# KiCad board rabbit_mask_capacitors_right.kicad_pcb (continued)
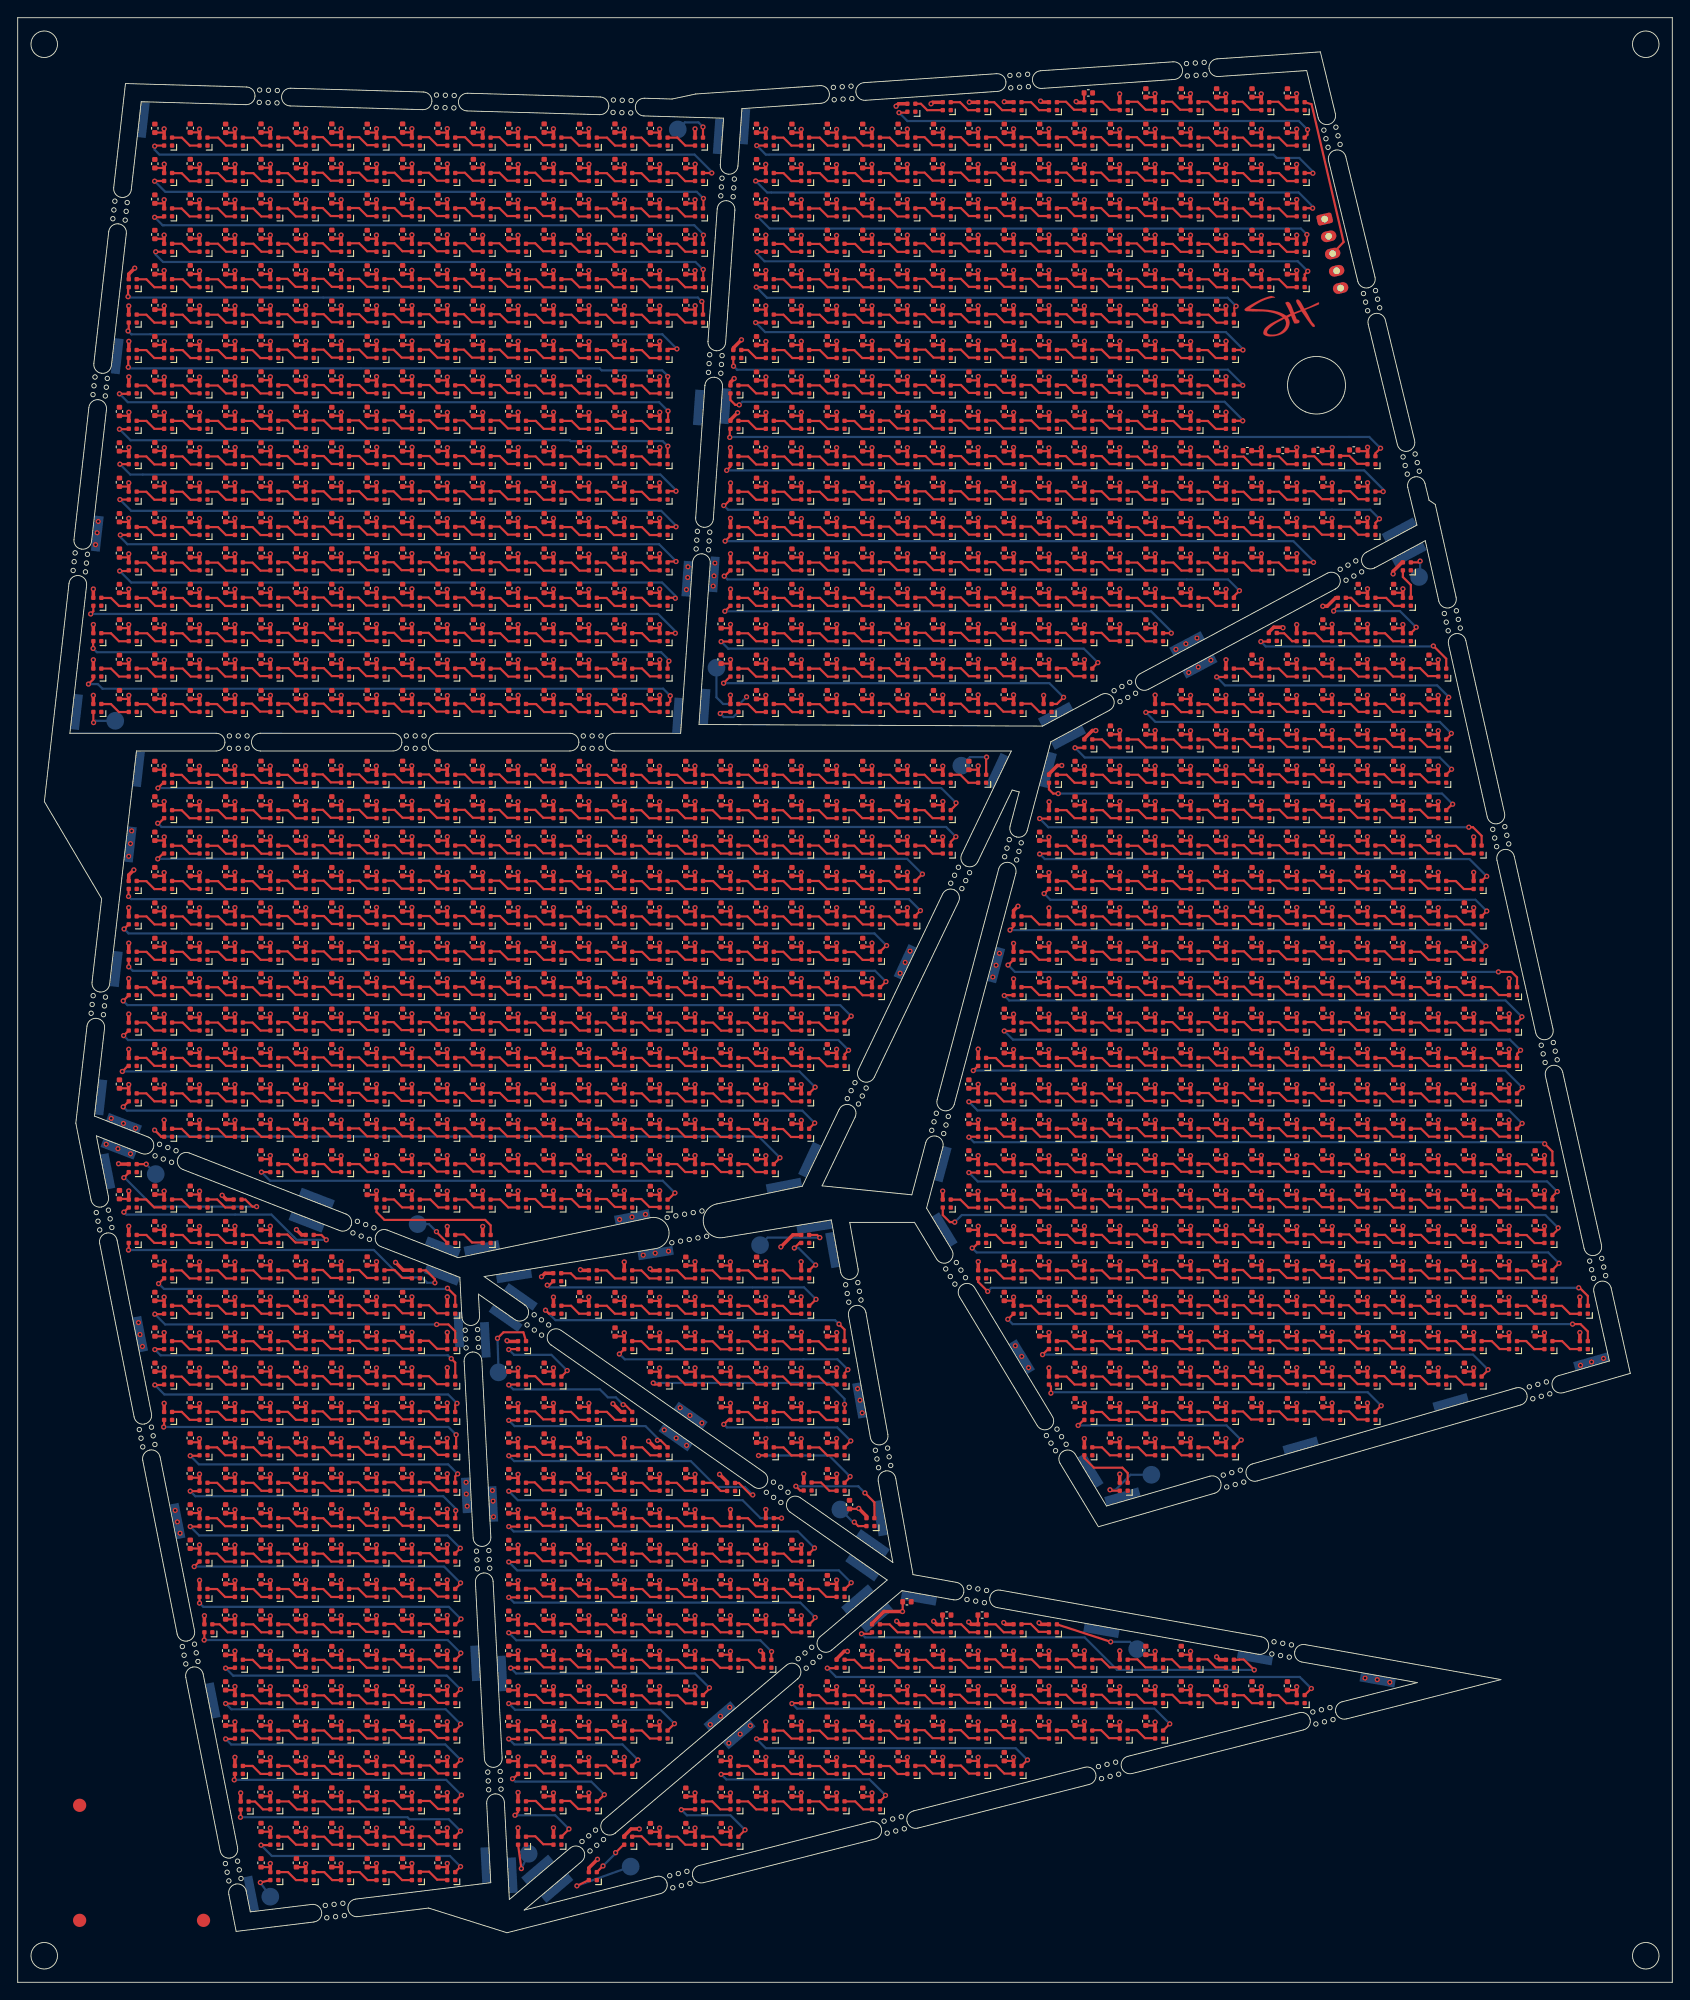
[diagram p0: board, top side]
## Placement (name value [footprint] x y rotation side) (continued)
D1803  SK6812-1515  [LED_SK6812_EC15_1.5x1.5mm]  81 172 180 top
D1804  SK6812-1515  [LED_SK6812_EC15_1.5x1.5mm]  85 172 180 top
D1805  SK6812-1515  [LED_SK6812_EC15_1.5x1.5mm]  89 172 180 top
D1806  SK6812-1515  [LED_SK6812_EC15_1.5x1.5mm]  93 172 180 top
D1807  SK6812-1515  [LED_SK6812_EC15_1.5x1.5mm]  97 172 180 top
D1808  SK6812-1515  [LED_SK6812_EC15_1.5x1.5mm]  101 172 180 top
D1809  SK6812-1515  [LED_SK6812_EC15_1.5x1.5mm]  105 172 180 top
D1810  SK6812-1515  [LED_SK6812_EC15_1.5x1.5mm]  109 172 180 top
D1811  SK6812-1515  [LED_SK6812_EC15_1.5x1.5mm]  113 172 180 top
D1812  SK6812-1515  [LED_SK6812_EC15_1.5x1.5mm]  117 172 180 top
D1813  SK6812-1515  [LED_SK6812_EC15_1.5x1.5mm]  121 172 180 top
D1814  SK6812-1515  [LED_SK6812_EC15_1.5x1.5mm]  125 172 180 top
D1815  SK6812-1515  [LED_SK6812_EC15_1.5x1.5mm]  129 172 180 top
D1816  SK6812-1515  [LED_SK6812_EC15_1.5x1.5mm]  133 172 180 top
D1817  SK6812-1515  [LED_SK6812_EC15_1.5x1.5mm]  137 172 180 top
D1818  SK6812-1515  [LED_SK6812_EC15_1.5x1.5mm]  141 172 180 top
D1819  SK6812-1515  [LED_SK6812_EC15_1.5x1.5mm]  145 172 180 top
D1820  SK6812-1515  [LED_SK6812_EC15_1.5x1.5mm]  149 172 180 top
D1821  SK6812-1515  [LED_SK6812_EC15_1.5x1.5mm]  153 172 180 top
D1822  SK6812-1515  [LED_SK6812_EC15_1.5x1.5mm]  13 168 180 top
D1823  SK6812-1515  [LED_SK6812_EC15_1.5x1.5mm]  17 168 180 top
D1824  SK6812-1515  [LED_SK6812_EC15_1.5x1.5mm]  21 168 180 top
D1825  SK6812-1515  [LED_SK6812_EC15_1.5x1.5mm]  25 168 180 top
D1826  SK6812-1515  [LED_SK6812_EC15_1.5x1.5mm]  29 168 180 top
D1827  SK6812-1515  [LED_SK6812_EC15_1.5x1.5mm]  33 168 180 top
D1828  SK6812-1515  [LED_SK6812_EC15_1.5x1.5mm]  37 168 180 top
D1829  SK6812-1515  [LED_SK6812_EC15_1.5x1.5mm]  41 168 180 top
D1830  SK6812-1515  [LED_SK6812_EC15_1.5x1.5mm]  45 168 180 top
D1831  SK6812-1515  [LED_SK6812_EC15_1.5x1.5mm]  49 168 180 top
D1832  SK6812-1515  [LED_SK6812_EC15_1.5x1.5mm]  53 168 180 top
D1833  SK6812-1515  [LED_SK6812_EC15_1.5x1.5mm]  57 168 180 top
D1834  SK6812-1515  [LED_SK6812_EC15_1.5x1.5mm]  61 168 180 top
D1835  SK6812-1515  [LED_SK6812_EC15_1.5x1.5mm]  65 168 180 top
D1836  SK6812-1515  [LED_SK6812_EC15_1.5x1.5mm]  69 168 180 top
D1837  SK6812-1515  [LED_SK6812_EC15_1.5x1.5mm]  73 168 180 top
D1838  SK6812-1515  [LED_SK6812_EC15_1.5x1.5mm]  81 168 180 top
D1839  SK6812-1515  [LED_SK6812_EC15_1.5x1.5mm]  85 168 180 top
D1840  SK6812-1515  [LED_SK6812_EC15_1.5x1.5mm]  89 168 180 top
D1841  SK6812-1515  [LED_SK6812_EC15_1.5x1.5mm]  93 168 180 top
D1842  SK6812-1515  [LED_SK6812_EC15_1.5x1.5mm]  97 168 180 top
D1843  SK6812-1515  [LED_SK6812_EC15_1.5x1.5mm]  101 168 180 top
D1844  SK6812-1515  [LED_SK6812_EC15_1.5x1.5mm]  105 168 180 top
D1845  SK6812-1515  [LED_SK6812_EC15_1.5x1.5mm]  109 168 180 top
D1846  SK6812-1515  [LED_SK6812_EC15_1.5x1.5mm]  113 168 180 top
D1847  SK6812-1515  [LED_SK6812_EC15_1.5x1.5mm]  117 168 180 top
D1848  SK6812-1515  [LED_SK6812_EC15_1.5x1.5mm]  121 168 180 top
D1849  SK6812-1515  [LED_SK6812_EC15_1.5x1.5mm]  125 168 180 top
D1850  SK6812-1515  [LED_SK6812_EC15_1.5x1.5mm]  129 168 180 top
D1851  SK6812-1515  [LED_SK6812_EC15_1.5x1.5mm]  133 168 180 top
D1852  SK6812-1515  [LED_SK6812_EC15_1.5x1.5mm]  137 168 180 top
D1853  SK6812-1515  [LED_SK6812_EC15_1.5x1.5mm]  141 168 180 top
D1854  SK6812-1515  [LED_SK6812_EC15_1.5x1.5mm]  145 168 180 top
D1855  SK6812-1515  [LED_SK6812_EC15_1.5x1.5mm]  149 168 180 top
D1856  SK6812-1515  [LED_SK6812_EC15_1.5x1.5mm]  153 168 180 top
D1857  SK6812-1515  [LED_SK6812_EC15_1.5x1.5mm]  13 164 180 top
D1858  SK6812-1515  [LED_SK6812_EC15_1.5x1.5mm]  17 164 180 top
D1859  SK6812-1515  [LED_SK6812_EC15_1.5x1.5mm]  21 164 180 top
D1860  SK6812-1515  [LED_SK6812_EC15_1.5x1.5mm]  25 164 180 top
D1861  SK6812-1515  [LED_SK6812_EC15_1.5x1.5mm]  29 164 180 top
D1862  SK6812-1515  [LED_SK6812_EC15_1.5x1.5mm]  33 164 180 top
D1863  SK6812-1515  [LED_SK6812_EC15_1.5x1.5mm]  37 164 180 top
D1864  SK6812-1515  [LED_SK6812_EC15_1.5x1.5mm]  41 164 180 top
D1865  SK6812-1515  [LED_SK6812_EC15_1.5x1.5mm]  45 164 180 top
D1866  SK6812-1515  [LED_SK6812_EC15_1.5x1.5mm]  49 164 180 top
D1867  SK6812-1515  [LED_SK6812_EC15_1.5x1.5mm]  53 164 180 top
D1868  SK6812-1515  [LED_SK6812_EC15_1.5x1.5mm]  57 164 180 top
D1869  SK6812-1515  [LED_SK6812_EC15_1.5x1.5mm]  61 164 180 top
D1870  SK6812-1515  [LED_SK6812_EC15_1.5x1.5mm]  65 164 180 top
D1871  SK6812-1515  [LED_SK6812_EC15_1.5x1.5mm]  69 164 180 top
D1872  SK6812-1515  [LED_SK6812_EC15_1.5x1.5mm]  73 164 180 top
D1873  SK6812-1515  [LED_SK6812_EC15_1.5x1.5mm]  81 164 180 top
D1874  SK6812-1515  [LED_SK6812_EC15_1.5x1.5mm]  85 164 180 top
D1875  SK6812-1515  [LED_SK6812_EC15_1.5x1.5mm]  89 164 180 top
D1876  SK6812-1515  [LED_SK6812_EC15_1.5x1.5mm]  93 164 180 top
D1877  SK6812-1515  [LED_SK6812_EC15_1.5x1.5mm]  97 164 180 top
D1878  SK6812-1515  [LED_SK6812_EC15_1.5x1.5mm]  101 164 180 top
D1879  SK6812-1515  [LED_SK6812_EC15_1.5x1.5mm]  105 164 180 top
D1880  SK6812-1515  [LED_SK6812_EC15_1.5x1.5mm]  109 164 180 top
D1881  SK6812-1515  [LED_SK6812_EC15_1.5x1.5mm]  113 164 180 top
D1882  SK6812-1515  [LED_SK6812_EC15_1.5x1.5mm]  117 164 180 top
D1883  SK6812-1515  [LED_SK6812_EC15_1.5x1.5mm]  121 164 180 top
D1884  SK6812-1515  [LED_SK6812_EC15_1.5x1.5mm]  125 164 180 top
D1885  SK6812-1515  [LED_SK6812_EC15_1.5x1.5mm]  129 164 180 top
D1886  SK6812-1515  [LED_SK6812_EC15_1.5x1.5mm]  133 164 180 top
D1887  SK6812-1515  [LED_SK6812_EC15_1.5x1.5mm]  137 164 180 top
D1888  SK6812-1515  [LED_SK6812_EC15_1.5x1.5mm]  141 164 180 top
D1889  SK6812-1515  [LED_SK6812_EC15_1.5x1.5mm]  145 164 180 top
D1890  SK6812-1515  [LED_SK6812_EC15_1.5x1.5mm]  149 164 180 top
D1891  SK6812-1515  [LED_SK6812_EC15_1.5x1.5mm]  153 164 180 top
D1892  SK6812-1515  [LED_SK6812_EC15_1.5x1.5mm]  13 160 180 top
D1893  SK6812-1515  [LED_SK6812_EC15_1.5x1.5mm]  17 160 180 top
D1894  SK6812-1515  [LED_SK6812_EC15_1.5x1.5mm]  21 160 180 top
D1895  SK6812-1515  [LED_SK6812_EC15_1.5x1.5mm]  25 160 180 top
D1896  SK6812-1515  [LED_SK6812_EC15_1.5x1.5mm]  29 160 180 top
D1897  SK6812-1515  [LED_SK6812_EC15_1.5x1.5mm]  33 160 180 top
D1898  SK6812-1515  [LED_SK6812_EC15_1.5x1.5mm]  37 160 180 top
D1899  SK6812-1515  [LED_SK6812_EC15_1.5x1.5mm]  41 160 180 top
D1900  SK6812-1515  [LED_SK6812_EC15_1.5x1.5mm]  45 160 180 top
D1901  SK6812-1515  [LED_SK6812_EC15_1.5x1.5mm]  49 160 180 top
D1902  SK6812-1515  [LED_SK6812_EC15_1.5x1.5mm]  53 160 180 top
D1903  SK6812-1515  [LED_SK6812_EC15_1.5x1.5mm]  57 160 180 top
D1904  SK6812-1515  [LED_SK6812_EC15_1.5x1.5mm]  61 160 180 top
D1905  SK6812-1515  [LED_SK6812_EC15_1.5x1.5mm]  65 160 180 top
D1906  SK6812-1515  [LED_SK6812_EC15_1.5x1.5mm]  69 160 180 top
D1907  SK6812-1515  [LED_SK6812_EC15_1.5x1.5mm]  73 160 180 top
D1908  SK6812-1515  [LED_SK6812_EC15_1.5x1.5mm]  81 160 180 top
D1909  SK6812-1515  [LED_SK6812_EC15_1.5x1.5mm]  85 160 180 top
D1910  SK6812-1515  [LED_SK6812_EC15_1.5x1.5mm]  89 160 180 top
D1911  SK6812-1515  [LED_SK6812_EC15_1.5x1.5mm]  93 160 180 top
D1912  SK6812-1515  [LED_SK6812_EC15_1.5x1.5mm]  97 160 180 top
D1913  SK6812-1515  [LED_SK6812_EC15_1.5x1.5mm]  101 160 180 top
D1914  SK6812-1515  [LED_SK6812_EC15_1.5x1.5mm]  105 160 180 top
D1915  SK6812-1515  [LED_SK6812_EC15_1.5x1.5mm]  109 160 180 top
D1916  SK6812-1515  [LED_SK6812_EC15_1.5x1.5mm]  113 160 180 top
D1917  SK6812-1515  [LED_SK6812_EC15_1.5x1.5mm]  117 160 180 top
D1918  SK6812-1515  [LED_SK6812_EC15_1.5x1.5mm]  121 160 180 top
D1919  SK6812-1515  [LED_SK6812_EC15_1.5x1.5mm]  125 160 180 top
D1920  SK6812-1515  [LED_SK6812_EC15_1.5x1.5mm]  129 160 180 top
D1921  SK6812-1515  [LED_SK6812_EC15_1.5x1.5mm]  133 160 180 top
D1922  SK6812-1515  [LED_SK6812_EC15_1.5x1.5mm]  137 160 180 top
D1923  SK6812-1515  [LED_SK6812_EC15_1.5x1.5mm]  141 160 180 top
D1924  SK6812-1515  [LED_SK6812_EC15_1.5x1.5mm]  145 160 180 top
D1925  SK6812-1515  [LED_SK6812_EC15_1.5x1.5mm]  157 160 180 top
D1926  SK6812-1515  [LED_SK6812_EC15_1.5x1.5mm]  9 156 180 top
D1927  SK6812-1515  [LED_SK6812_EC15_1.5x1.5mm]  13 156 180 top
D1928  SK6812-1515  [LED_SK6812_EC15_1.5x1.5mm]  17 156 180 top
D1929  SK6812-1515  [LED_SK6812_EC15_1.5x1.5mm]  21 156 180 top
D1930  SK6812-1515  [LED_SK6812_EC15_1.5x1.5mm]  25 156 180 top
D1931  SK6812-1515  [LED_SK6812_EC15_1.5x1.5mm]  29 156 180 top
D1932  SK6812-1515  [LED_SK6812_EC15_1.5x1.5mm]  33 156 180 top
D1933  SK6812-1515  [LED_SK6812_EC15_1.5x1.5mm]  37 156 180 top
D1934  SK6812-1515  [LED_SK6812_EC15_1.5x1.5mm]  41 156 180 top
D1935  SK6812-1515  [LED_SK6812_EC15_1.5x1.5mm]  45 156 180 top
D1936  SK6812-1515  [LED_SK6812_EC15_1.5x1.5mm]  49 156 180 top
D1937  SK6812-1515  [LED_SK6812_EC15_1.5x1.5mm]  53 156 180 top
D1938  SK6812-1515  [LED_SK6812_EC15_1.5x1.5mm]  57 156 180 top
D1939  SK6812-1515  [LED_SK6812_EC15_1.5x1.5mm]  61 156 180 top
D1940  SK6812-1515  [LED_SK6812_EC15_1.5x1.5mm]  65 156 180 top
D1941  SK6812-1515  [LED_SK6812_EC15_1.5x1.5mm]  69 156 180 top
D1942  SK6812-1515  [LED_SK6812_EC15_1.5x1.5mm]  73 156 180 top
D1943  SK6812-1515  [LED_SK6812_EC15_1.5x1.5mm]  81 156 180 top
D1944  SK6812-1515  [LED_SK6812_EC15_1.5x1.5mm]  85 156 180 top
D1945  SK6812-1515  [LED_SK6812_EC15_1.5x1.5mm]  89 156 180 top
D1946  SK6812-1515  [LED_SK6812_EC15_1.5x1.5mm]  93 156 180 top
D1947  SK6812-1515  [LED_SK6812_EC15_1.5x1.5mm]  97 156 180 top
D1948  SK6812-1515  [LED_SK6812_EC15_1.5x1.5mm]  101 156 180 top
D1949  SK6812-1515  [LED_SK6812_EC15_1.5x1.5mm]  105 156 180 top
D1950  SK6812-1515  [LED_SK6812_EC15_1.5x1.5mm]  109 156 180 top
D1951  SK6812-1515  [LED_SK6812_EC15_1.5x1.5mm]  113 156 180 top
D1952  SK6812-1515  [LED_SK6812_EC15_1.5x1.5mm]  117 156 180 top
D1953  SK6812-1515  [LED_SK6812_EC15_1.5x1.5mm]  121 156 180 top
D1954  SK6812-1515  [LED_SK6812_EC15_1.5x1.5mm]  125 156 180 top
D1955  SK6812-1515  [LED_SK6812_EC15_1.5x1.5mm]  129 156 180 top
D1956  SK6812-1515  [LED_SK6812_EC15_1.5x1.5mm]  133 156 180 top
D1957  SK6812-1515  [LED_SK6812_EC15_1.5x1.5mm]  137 156 180 top
D1958  SK6812-1515  [LED_SK6812_EC15_1.5x1.5mm]  149.65 156 180 top
D1959  SK6812-1515  [LED_SK6812_EC15_1.5x1.5mm]  153 156 180 top
D1960  SK6812-1515  [LED_SK6812_EC15_1.5x1.5mm]  157 156 180 top
D1961  SK6812-1515  [LED_SK6812_EC15_1.5x1.5mm]  9 152 180 top
D1962  SK6812-1515  [LED_SK6812_EC15_1.5x1.5mm]  13 152 180 top
D1963  SK6812-1515  [LED_SK6812_EC15_1.5x1.5mm]  17 152 180 top
D1964  SK6812-1515  [LED_SK6812_EC15_1.5x1.5mm]  21 152 180 top
D1965  SK6812-1515  [LED_SK6812_EC15_1.5x1.5mm]  25 152 180 top
D1966  SK6812-1515  [LED_SK6812_EC15_1.5x1.5mm]  29 152 180 top
D1967  SK6812-1515  [LED_SK6812_EC15_1.5x1.5mm]  33 152 180 top
D1968  SK6812-1515  [LED_SK6812_EC15_1.5x1.5mm]  37 152 180 top
D1969  SK6812-1515  [LED_SK6812_EC15_1.5x1.5mm]  41 152 180 top
D1970  SK6812-1515  [LED_SK6812_EC15_1.5x1.5mm]  45 152 180 top
D1971  SK6812-1515  [LED_SK6812_EC15_1.5x1.5mm]  49 152 180 top
D1972  SK6812-1515  [LED_SK6812_EC15_1.5x1.5mm]  53 152 180 top
D1973  SK6812-1515  [LED_SK6812_EC15_1.5x1.5mm]  57 152 180 top
D1974  SK6812-1515  [LED_SK6812_EC15_1.5x1.5mm]  61 152 180 top
D1975  SK6812-1515  [LED_SK6812_EC15_1.5x1.5mm]  65 152 180 top
D1976  SK6812-1515  [LED_SK6812_EC15_1.5x1.5mm]  69 152 180 top
D1977  SK6812-1515  [LED_SK6812_EC15_1.5x1.5mm]  73 152 180 top
D1978  SK6812-1515  [LED_SK6812_EC15_1.5x1.5mm]  81 152 180 top
D1979  SK6812-1515  [LED_SK6812_EC15_1.5x1.5mm]  85 152 180 top
D1980  SK6812-1515  [LED_SK6812_EC15_1.5x1.5mm]  89 152 180 top
D1981  SK6812-1515  [LED_SK6812_EC15_1.5x1.5mm]  93 152 180 top
D1982  SK6812-1515  [LED_SK6812_EC15_1.5x1.5mm]  97 152 180 top
D1983  SK6812-1515  [LED_SK6812_EC15_1.5x1.5mm]  101 152 180 top
D1984  SK6812-1515  [LED_SK6812_EC15_1.5x1.5mm]  105 152 180 top
D1985  SK6812-1515  [LED_SK6812_EC15_1.5x1.5mm]  109 152 180 top
D1986  SK6812-1515  [LED_SK6812_EC15_1.5x1.5mm]  113 152 180 top
D1987  SK6812-1515  [LED_SK6812_EC15_1.5x1.5mm]  117 152 180 top
D1988  SK6812-1515  [LED_SK6812_EC15_1.5x1.5mm]  121 152 180 top
D1989  SK6812-1515  [LED_SK6812_EC15_1.5x1.5mm]  125 152 180 top
D1990  SK6812-1515  [LED_SK6812_EC15_1.5x1.5mm]  129 152 180 top
D1991  SK6812-1515  [LED_SK6812_EC15_1.5x1.5mm]  141.85 152.03 180 top
D1992  SK6812-1515  [LED_SK6812_EC15_1.5x1.5mm]  145 152 180 top
D1993  SK6812-1515  [LED_SK6812_EC15_1.5x1.5mm]  149 152 180 top
D1994  SK6812-1515  [LED_SK6812_EC15_1.5x1.5mm]  153 152 180 top
D1995  SK6812-1515  [LED_SK6812_EC15_1.5x1.5mm]  157 152 180 top
D1996  SK6812-1515  [LED_SK6812_EC15_1.5x1.5mm]  9 148 180 top
D1997  SK6812-1515  [LED_SK6812_EC15_1.5x1.5mm]  13 148 180 top
D1998  SK6812-1515  [LED_SK6812_EC15_1.5x1.5mm]  17 148 180 top
D1999  SK6812-1515  [LED_SK6812_EC15_1.5x1.5mm]  21 148 180 top
D2000  SK6812-1515  [LED_SK6812_EC15_1.5x1.5mm]  25 148 180 top
D2001  SK6812-1515  [LED_SK6812_EC15_1.5x1.5mm]  29 148 180 top
D2002  SK6812-1515  [LED_SK6812_EC15_1.5x1.5mm]  33 148 180 top
D2003  SK6812-1515  [LED_SK6812_EC15_1.5x1.5mm]  37 148 180 top
D2004  SK6812-1515  [LED_SK6812_EC15_1.5x1.5mm]  41 148 180 top
D2005  SK6812-1515  [LED_SK6812_EC15_1.5x1.5mm]  45 148 180 top
D2006  SK6812-1515  [LED_SK6812_EC15_1.5x1.5mm]  49 148 180 top
D2007  SK6812-1515  [LED_SK6812_EC15_1.5x1.5mm]  53 148 180 top
D2008  SK6812-1515  [LED_SK6812_EC15_1.5x1.5mm]  57 148 180 top
D2009  SK6812-1515  [LED_SK6812_EC15_1.5x1.5mm]  61 148 180 top
D2010  SK6812-1515  [LED_SK6812_EC15_1.5x1.5mm]  65 148 180 top
D2011  SK6812-1515  [LED_SK6812_EC15_1.5x1.5mm]  69 148 180 top
D2012  SK6812-1515  [LED_SK6812_EC15_1.5x1.5mm]  73 148 180 top
D2013  SK6812-1515  [LED_SK6812_EC15_1.5x1.5mm]  81 148 180 top
D2014  SK6812-1515  [LED_SK6812_EC15_1.5x1.5mm]  85 148 180 top
D2015  SK6812-1515  [LED_SK6812_EC15_1.5x1.5mm]  89 148 180 top
D2016  SK6812-1515  [LED_SK6812_EC15_1.5x1.5mm]  93 148 180 top
D2017  SK6812-1515  [LED_SK6812_EC15_1.5x1.5mm]  97 148 180 top
D2018  SK6812-1515  [LED_SK6812_EC15_1.5x1.5mm]  101 148 180 top
D2019  SK6812-1515  [LED_SK6812_EC15_1.5x1.5mm]  105 148 180 top
D2020  SK6812-1515  [LED_SK6812_EC15_1.5x1.5mm]  109 148 180 top
D2021  SK6812-1515  [LED_SK6812_EC15_1.5x1.5mm]  113 148 180 top
D2022  SK6812-1515  [LED_SK6812_EC15_1.5x1.5mm]  117 148 180 top
D2023  SK6812-1515  [LED_SK6812_EC15_1.5x1.5mm]  121 148 180 top
D2024  SK6812-1515  [LED_SK6812_EC15_1.5x1.5mm]  137 148 180 top
D2025  SK6812-1515  [LED_SK6812_EC15_1.5x1.5mm]  141 148 180 top
D2026  SK6812-1515  [LED_SK6812_EC15_1.5x1.5mm]  145 148 180 top
D2027  SK6812-1515  [LED_SK6812_EC15_1.5x1.5mm]  149 148 180 top
D2028  SK6812-1515  [LED_SK6812_EC15_1.5x1.5mm]  153 148 180 top
D2029  SK6812-1515  [LED_SK6812_EC15_1.5x1.5mm]  157 148 180 top
D2030  SK6812-1515  [LED_SK6812_EC15_1.5x1.5mm]  161 148 180 top
D2031  SK6812-1515  [LED_SK6812_EC15_1.5x1.5mm]  9 144 180 top
D2032  SK6812-1515  [LED_SK6812_EC15_1.5x1.5mm]  13 144 180 top
D2033  SK6812-1515  [LED_SK6812_EC15_1.5x1.5mm]  17 144 180 top
D2034  SK6812-1515  [LED_SK6812_EC15_1.5x1.5mm]  21 144 180 top
D2035  SK6812-1515  [LED_SK6812_EC15_1.5x1.5mm]  25 144 180 top
D2036  SK6812-1515  [LED_SK6812_EC15_1.5x1.5mm]  29 144 180 top
D2037  SK6812-1515  [LED_SK6812_EC15_1.5x1.5mm]  33 144 180 top
D2038  SK6812-1515  [LED_SK6812_EC15_1.5x1.5mm]  37 144 180 top
D2039  SK6812-1515  [LED_SK6812_EC15_1.5x1.5mm]  41 144 180 top
D2040  SK6812-1515  [LED_SK6812_EC15_1.5x1.5mm]  45 144 180 top
D2041  SK6812-1515  [LED_SK6812_EC15_1.5x1.5mm]  49 144 180 top
D2042  SK6812-1515  [LED_SK6812_EC15_1.5x1.5mm]  53 144 180 top
D2043  SK6812-1515  [LED_SK6812_EC15_1.5x1.5mm]  57 144 180 top
D2044  SK6812-1515  [LED_SK6812_EC15_1.5x1.5mm]  61 144 180 top
D2045  SK6812-1515  [LED_SK6812_EC15_1.5x1.5mm]  65 144 180 top
D2046  SK6812-1515  [LED_SK6812_EC15_1.5x1.5mm]  69 144 180 top
D2047  SK6812-1515  [LED_SK6812_EC15_1.5x1.5mm]  73 144 180 top
D2048  SK6812-1515  [LED_SK6812_EC15_1.5x1.5mm]  81 144 180 top
D2049  SK6812-1515  [LED_SK6812_EC15_1.5x1.5mm]  85 144 180 top
D2050  SK6812-1515  [LED_SK6812_EC15_1.5x1.5mm]  89 144 180 top
D2051  SK6812-1515  [LED_SK6812_EC15_1.5x1.5mm]  93 144 180 top
D2052  SK6812-1515  [LED_SK6812_EC15_1.5x1.5mm]  97 144 180 top
D2053  SK6812-1515  [LED_SK6812_EC15_1.5x1.5mm]  101 144 180 top
D2054  SK6812-1515  [LED_SK6812_EC15_1.5x1.5mm]  105 144 180 top
D2055  SK6812-1515  [LED_SK6812_EC15_1.5x1.5mm]  109 144 180 top
D2056  SK6812-1515  [LED_SK6812_EC15_1.5x1.5mm]  113 144 180 top
D2057  SK6812-1515  [LED_SK6812_EC15_1.5x1.5mm]  116.4 144 180 top
D2058  SK6812-1515  [LED_SK6812_EC15_1.5x1.5mm]  129 144 180 top
D2059  SK6812-1515  [LED_SK6812_EC15_1.5x1.5mm]  133 144 180 top
D2060  SK6812-1515  [LED_SK6812_EC15_1.5x1.5mm]  137 144 180 top
D2061  SK6812-1515  [LED_SK6812_EC15_1.5x1.5mm]  141 144 180 top
D2062  SK6812-1515  [LED_SK6812_EC15_1.5x1.5mm]  145 144 180 top
D2063  SK6812-1515  [LED_SK6812_EC15_1.5x1.5mm]  149 144 180 top
D2064  SK6812-1515  [LED_SK6812_EC15_1.5x1.5mm]  153 144 180 top
D2065  SK6812-1515  [LED_SK6812_EC15_1.5x1.5mm]  157 144 180 top
D2066  SK6812-1515  [LED_SK6812_EC15_1.5x1.5mm]  161 144 180 top
D2067  SK6812-1515  [LED_SK6812_EC15_1.5x1.5mm]  121 140 180 top
D2068  SK6812-1515  [LED_SK6812_EC15_1.5x1.5mm]  125 140 180 top
D2069  SK6812-1515  [LED_SK6812_EC15_1.5x1.5mm]  129 140 180 top
D2070  SK6812-1515  [LED_SK6812_EC15_1.5x1.5mm]  133 140 180 top
D2071  SK6812-1515  [LED_SK6812_EC15_1.5x1.5mm]  137 140 180 top
D2072  SK6812-1515  [LED_SK6812_EC15_1.5x1.5mm]  141 140 180 top
D2073  SK6812-1515  [LED_SK6812_EC15_1.5x1.5mm]  145 140 180 top
D2074  SK6812-1515  [LED_SK6812_EC15_1.5x1.5mm]  149 140 180 top
D2075  SK6812-1515  [LED_SK6812_EC15_1.5x1.5mm]  153 140 180 top
D2076  SK6812-1515  [LED_SK6812_EC15_1.5x1.5mm]  157 140 180 top
D2077  SK6812-1515  [LED_SK6812_EC15_1.5x1.5mm]  161 140 180 top
D2078  SK6812-1515  [LED_SK6812_EC15_1.5x1.5mm]  17 136 180 top
D2079  SK6812-1515  [LED_SK6812_EC15_1.5x1.5mm]  21 136 180 top
D2080  SK6812-1515  [LED_SK6812_EC15_1.5x1.5mm]  25 136 180 top
D2081  SK6812-1515  [LED_SK6812_EC15_1.5x1.5mm]  29 136 180 top
D2082  SK6812-1515  [LED_SK6812_EC15_1.5x1.5mm]  33 136 180 top
D2083  SK6812-1515  [LED_SK6812_EC15_1.5x1.5mm]  37 136 180 top
D2084  SK6812-1515  [LED_SK6812_EC15_1.5x1.5mm]  41 136 180 top
D2085  SK6812-1515  [LED_SK6812_EC15_1.5x1.5mm]  45 136 180 top
D2086  SK6812-1515  [LED_SK6812_EC15_1.5x1.5mm]  49 136 180 top
D2087  SK6812-1515  [LED_SK6812_EC15_1.5x1.5mm]  53 136 180 top
D2088  SK6812-1515  [LED_SK6812_EC15_1.5x1.5mm]  57 136 180 top
D2089  SK6812-1515  [LED_SK6812_EC15_1.5x1.5mm]  61 136 180 top
D2090  SK6812-1515  [LED_SK6812_EC15_1.5x1.5mm]  65 136 180 top
D2091  SK6812-1515  [LED_SK6812_EC15_1.5x1.5mm]  69 136 180 top
D2092  SK6812-1515  [LED_SK6812_EC15_1.5x1.5mm]  73 136 180 top
D2093  SK6812-1515  [LED_SK6812_EC15_1.5x1.5mm]  77 136 180 top
D2094  SK6812-1515  [LED_SK6812_EC15_1.5x1.5mm]  81 136 180 top
D2095  SK6812-1515  [LED_SK6812_EC15_1.5x1.5mm]  85 136 180 top
D2096  SK6812-1515  [LED_SK6812_EC15_1.5x1.5mm]  89 136 180 top
D2097  SK6812-1515  [LED_SK6812_EC15_1.5x1.5mm]  93 136 180 top
D2098  SK6812-1515  [LED_SK6812_EC15_1.5x1.5mm]  97 136 180 top
D2099  SK6812-1515  [LED_SK6812_EC15_1.5x1.5mm]  101 136 180 top
D2100  SK6812-1515  [LED_SK6812_EC15_1.5x1.5mm]  105 136 180 top
D2101  SK6812-1515  [LED_SK6812_EC15_1.5x1.5mm]  109 136 180 top
D2102  SK6812-1515  [LED_SK6812_EC15_1.5x1.5mm]  117 136 180 top
D2103  SK6812-1515  [LED_SK6812_EC15_1.5x1.5mm]  121 136 180 top
D2104  SK6812-1515  [LED_SK6812_EC15_1.5x1.5mm]  125 136 180 top
D2105  SK6812-1515  [LED_SK6812_EC15_1.5x1.5mm]  129 136 180 top
D2106  SK6812-1515  [LED_SK6812_EC15_1.5x1.5mm]  133 136 180 top
D2107  SK6812-1515  [LED_SK6812_EC15_1.5x1.5mm]  137 136 180 top
D2108  SK6812-1515  [LED_SK6812_EC15_1.5x1.5mm]  141 136 180 top
D2109  SK6812-1515  [LED_SK6812_EC15_1.5x1.5mm]  145 136 180 top
D2110  SK6812-1515  [LED_SK6812_EC15_1.5x1.5mm]  149 136 180 top
D2111  SK6812-1515  [LED_SK6812_EC15_1.5x1.5mm]  153 136 180 top
D2112  SK6812-1515  [LED_SK6812_EC15_1.5x1.5mm]  157 136 180 top
D2113  SK6812-1515  [LED_SK6812_EC15_1.5x1.5mm]  161 136 180 top
D2114  SK6812-1515  [LED_SK6812_EC15_1.5x1.5mm]  17 132 180 top
D2115  SK6812-1515  [LED_SK6812_EC15_1.5x1.5mm]  21 132 180 top
D2116  SK6812-1515  [LED_SK6812_EC15_1.5x1.5mm]  25 132 180 top
D2117  SK6812-1515  [LED_SK6812_EC15_1.5x1.5mm]  29 132 180 top
D2118  SK6812-1515  [LED_SK6812_EC15_1.5x1.5mm]  33 132 180 top
D2119  SK6812-1515  [LED_SK6812_EC15_1.5x1.5mm]  37 132 180 top
D2120  SK6812-1515  [LED_SK6812_EC15_1.5x1.5mm]  41 132 180 top
D2121  SK6812-1515  [LED_SK6812_EC15_1.5x1.5mm]  45 132 180 top
D2122  SK6812-1515  [LED_SK6812_EC15_1.5x1.5mm]  49 132 180 top
D2123  SK6812-1515  [LED_SK6812_EC15_1.5x1.5mm]  53 132 180 top
D2124  SK6812-1515  [LED_SK6812_EC15_1.5x1.5mm]  57 132 180 top
D2125  SK6812-1515  [LED_SK6812_EC15_1.5x1.5mm]  61 132 180 top
D2126  SK6812-1515  [LED_SK6812_EC15_1.5x1.5mm]  65 132 180 top
D2127  SK6812-1515  [LED_SK6812_EC15_1.5x1.5mm]  69 132 180 top
D2128  SK6812-1515  [LED_SK6812_EC15_1.5x1.5mm]  73 132 180 top
D2129  SK6812-1515  [LED_SK6812_EC15_1.5x1.5mm]  77 132 180 top
D2130  SK6812-1515  [LED_SK6812_EC15_1.5x1.5mm]  81 132 180 top
D2131  SK6812-1515  [LED_SK6812_EC15_1.5x1.5mm]  85 132 180 top
D2132  SK6812-1515  [LED_SK6812_EC15_1.5x1.5mm]  89 132 180 top
D2133  SK6812-1515  [LED_SK6812_EC15_1.5x1.5mm]  93 132 180 top
D2134  SK6812-1515  [LED_SK6812_EC15_1.5x1.5mm]  97 132 180 top
D2135  SK6812-1515  [LED_SK6812_EC15_1.5x1.5mm]  101 132 180 top
D2136  SK6812-1515  [LED_SK6812_EC15_1.5x1.5mm]  105 132 180 top
D2137  SK6812-1515  [LED_SK6812_EC15_1.5x1.5mm]  117 132 180 top
D2138  SK6812-1515  [LED_SK6812_EC15_1.5x1.5mm]  121 132 180 top
D2139  SK6812-1515  [LED_SK6812_EC15_1.5x1.5mm]  125 132 180 top
D2140  SK6812-1515  [LED_SK6812_EC15_1.5x1.5mm]  129 132 180 top
D2141  SK6812-1515  [LED_SK6812_EC15_1.5x1.5mm]  133 132 180 top
D2142  SK6812-1515  [LED_SK6812_EC15_1.5x1.5mm]  137 132 180 top
D2143  SK6812-1515  [LED_SK6812_EC15_1.5x1.5mm]  141 132 180 top
D2144  SK6812-1515  [LED_SK6812_EC15_1.5x1.5mm]  145 132 180 top
D2145  SK6812-1515  [LED_SK6812_EC15_1.5x1.5mm]  149 132 180 top
D2146  SK6812-1515  [LED_SK6812_EC15_1.5x1.5mm]  153 132 180 top
D2147  SK6812-1515  [LED_SK6812_EC15_1.5x1.5mm]  157 132 180 top
D2148  SK6812-1515  [LED_SK6812_EC15_1.5x1.5mm]  161 132 180 top
D2149  SK6812-1515  [LED_SK6812_EC15_1.5x1.5mm]  17 128 180 top
D2150  SK6812-1515  [LED_SK6812_EC15_1.5x1.5mm]  21 128 180 top
D2151  SK6812-1515  [LED_SK6812_EC15_1.5x1.5mm]  25 128 180 top
D2152  SK6812-1515  [LED_SK6812_EC15_1.5x1.5mm]  29 128 180 top
D2153  SK6812-1515  [LED_SK6812_EC15_1.5x1.5mm]  33 128 180 top
D2154  SK6812-1515  [LED_SK6812_EC15_1.5x1.5mm]  37 128 180 top
D2155  SK6812-1515  [LED_SK6812_EC15_1.5x1.5mm]  41 128 180 top
D2156  SK6812-1515  [LED_SK6812_EC15_1.5x1.5mm]  45 128 180 top
D2157  SK6812-1515  [LED_SK6812_EC15_1.5x1.5mm]  49 128 180 top
D2158  SK6812-1515  [LED_SK6812_EC15_1.5x1.5mm]  53 128 180 top
D2159  SK6812-1515  [LED_SK6812_EC15_1.5x1.5mm]  57 128 180 top
D2160  SK6812-1515  [LED_SK6812_EC15_1.5x1.5mm]  61 128 180 top
D2161  SK6812-1515  [LED_SK6812_EC15_1.5x1.5mm]  65 128 180 top
D2162  SK6812-1515  [LED_SK6812_EC15_1.5x1.5mm]  69 128 180 top
D2163  SK6812-1515  [LED_SK6812_EC15_1.5x1.5mm]  73 128 180 top
D2164  SK6812-1515  [LED_SK6812_EC15_1.5x1.5mm]  77 128 180 top
D2165  SK6812-1515  [LED_SK6812_EC15_1.5x1.5mm]  81 128 180 top
D2166  SK6812-1515  [LED_SK6812_EC15_1.5x1.5mm]  85 128 180 top
D2167  SK6812-1515  [LED_SK6812_EC15_1.5x1.5mm]  89 128 180 top
D2168  SK6812-1515  [LED_SK6812_EC15_1.5x1.5mm]  93 128 180 top
D2169  SK6812-1515  [LED_SK6812_EC15_1.5x1.5mm]  97 128 180 top
D2170  SK6812-1515  [LED_SK6812_EC15_1.5x1.5mm]  101 128 180 top
D2171  SK6812-1515  [LED_SK6812_EC15_1.5x1.5mm]  105 128 180 top
D2172  SK6812-1515  [LED_SK6812_EC15_1.5x1.5mm]  117 128 180 top
D2173  SK6812-1515  [LED_SK6812_EC15_1.5x1.5mm]  121 128 180 top
D2174  SK6812-1515  [LED_SK6812_EC15_1.5x1.5mm]  125 128 180 top
D2175  SK6812-1515  [LED_SK6812_EC15_1.5x1.5mm]  129 128 180 top
D2176  SK6812-1515  [LED_SK6812_EC15_1.5x1.5mm]  133 128 180 top
D2177  SK6812-1515  [LED_SK6812_EC15_1.5x1.5mm]  137 128 180 top
D2178  SK6812-1515  [LED_SK6812_EC15_1.5x1.5mm]  141 128 180 top
D2179  SK6812-1515  [LED_SK6812_EC15_1.5x1.5mm]  145 128 180 top
D2180  SK6812-1515  [LED_SK6812_EC15_1.5x1.5mm]  149 128 180 top
D2181  SK6812-1515  [LED_SK6812_EC15_1.5x1.5mm]  153 128 180 top
D2182  SK6812-1515  [LED_SK6812_EC15_1.5x1.5mm]  157 128 180 top
D2183  SK6812-1515  [LED_SK6812_EC15_1.5x1.5mm]  161 128 180 top
D2184  SK6812-1515  [LED_SK6812_EC15_1.5x1.5mm]  165 128 180 top
D2185  SK6812-1515  [LED_SK6812_EC15_1.5x1.5mm]  13 124 180 top
D2186  SK6812-1515  [LED_SK6812_EC15_1.5x1.5mm]  17 124 180 top
D2187  SK6812-1515  [LED_SK6812_EC15_1.5x1.5mm]  21 124 180 top
D2188  SK6812-1515  [LED_SK6812_EC15_1.5x1.5mm]  25 124 180 top